# KiCad board ciaa_acc.kicad_pcb (continued)
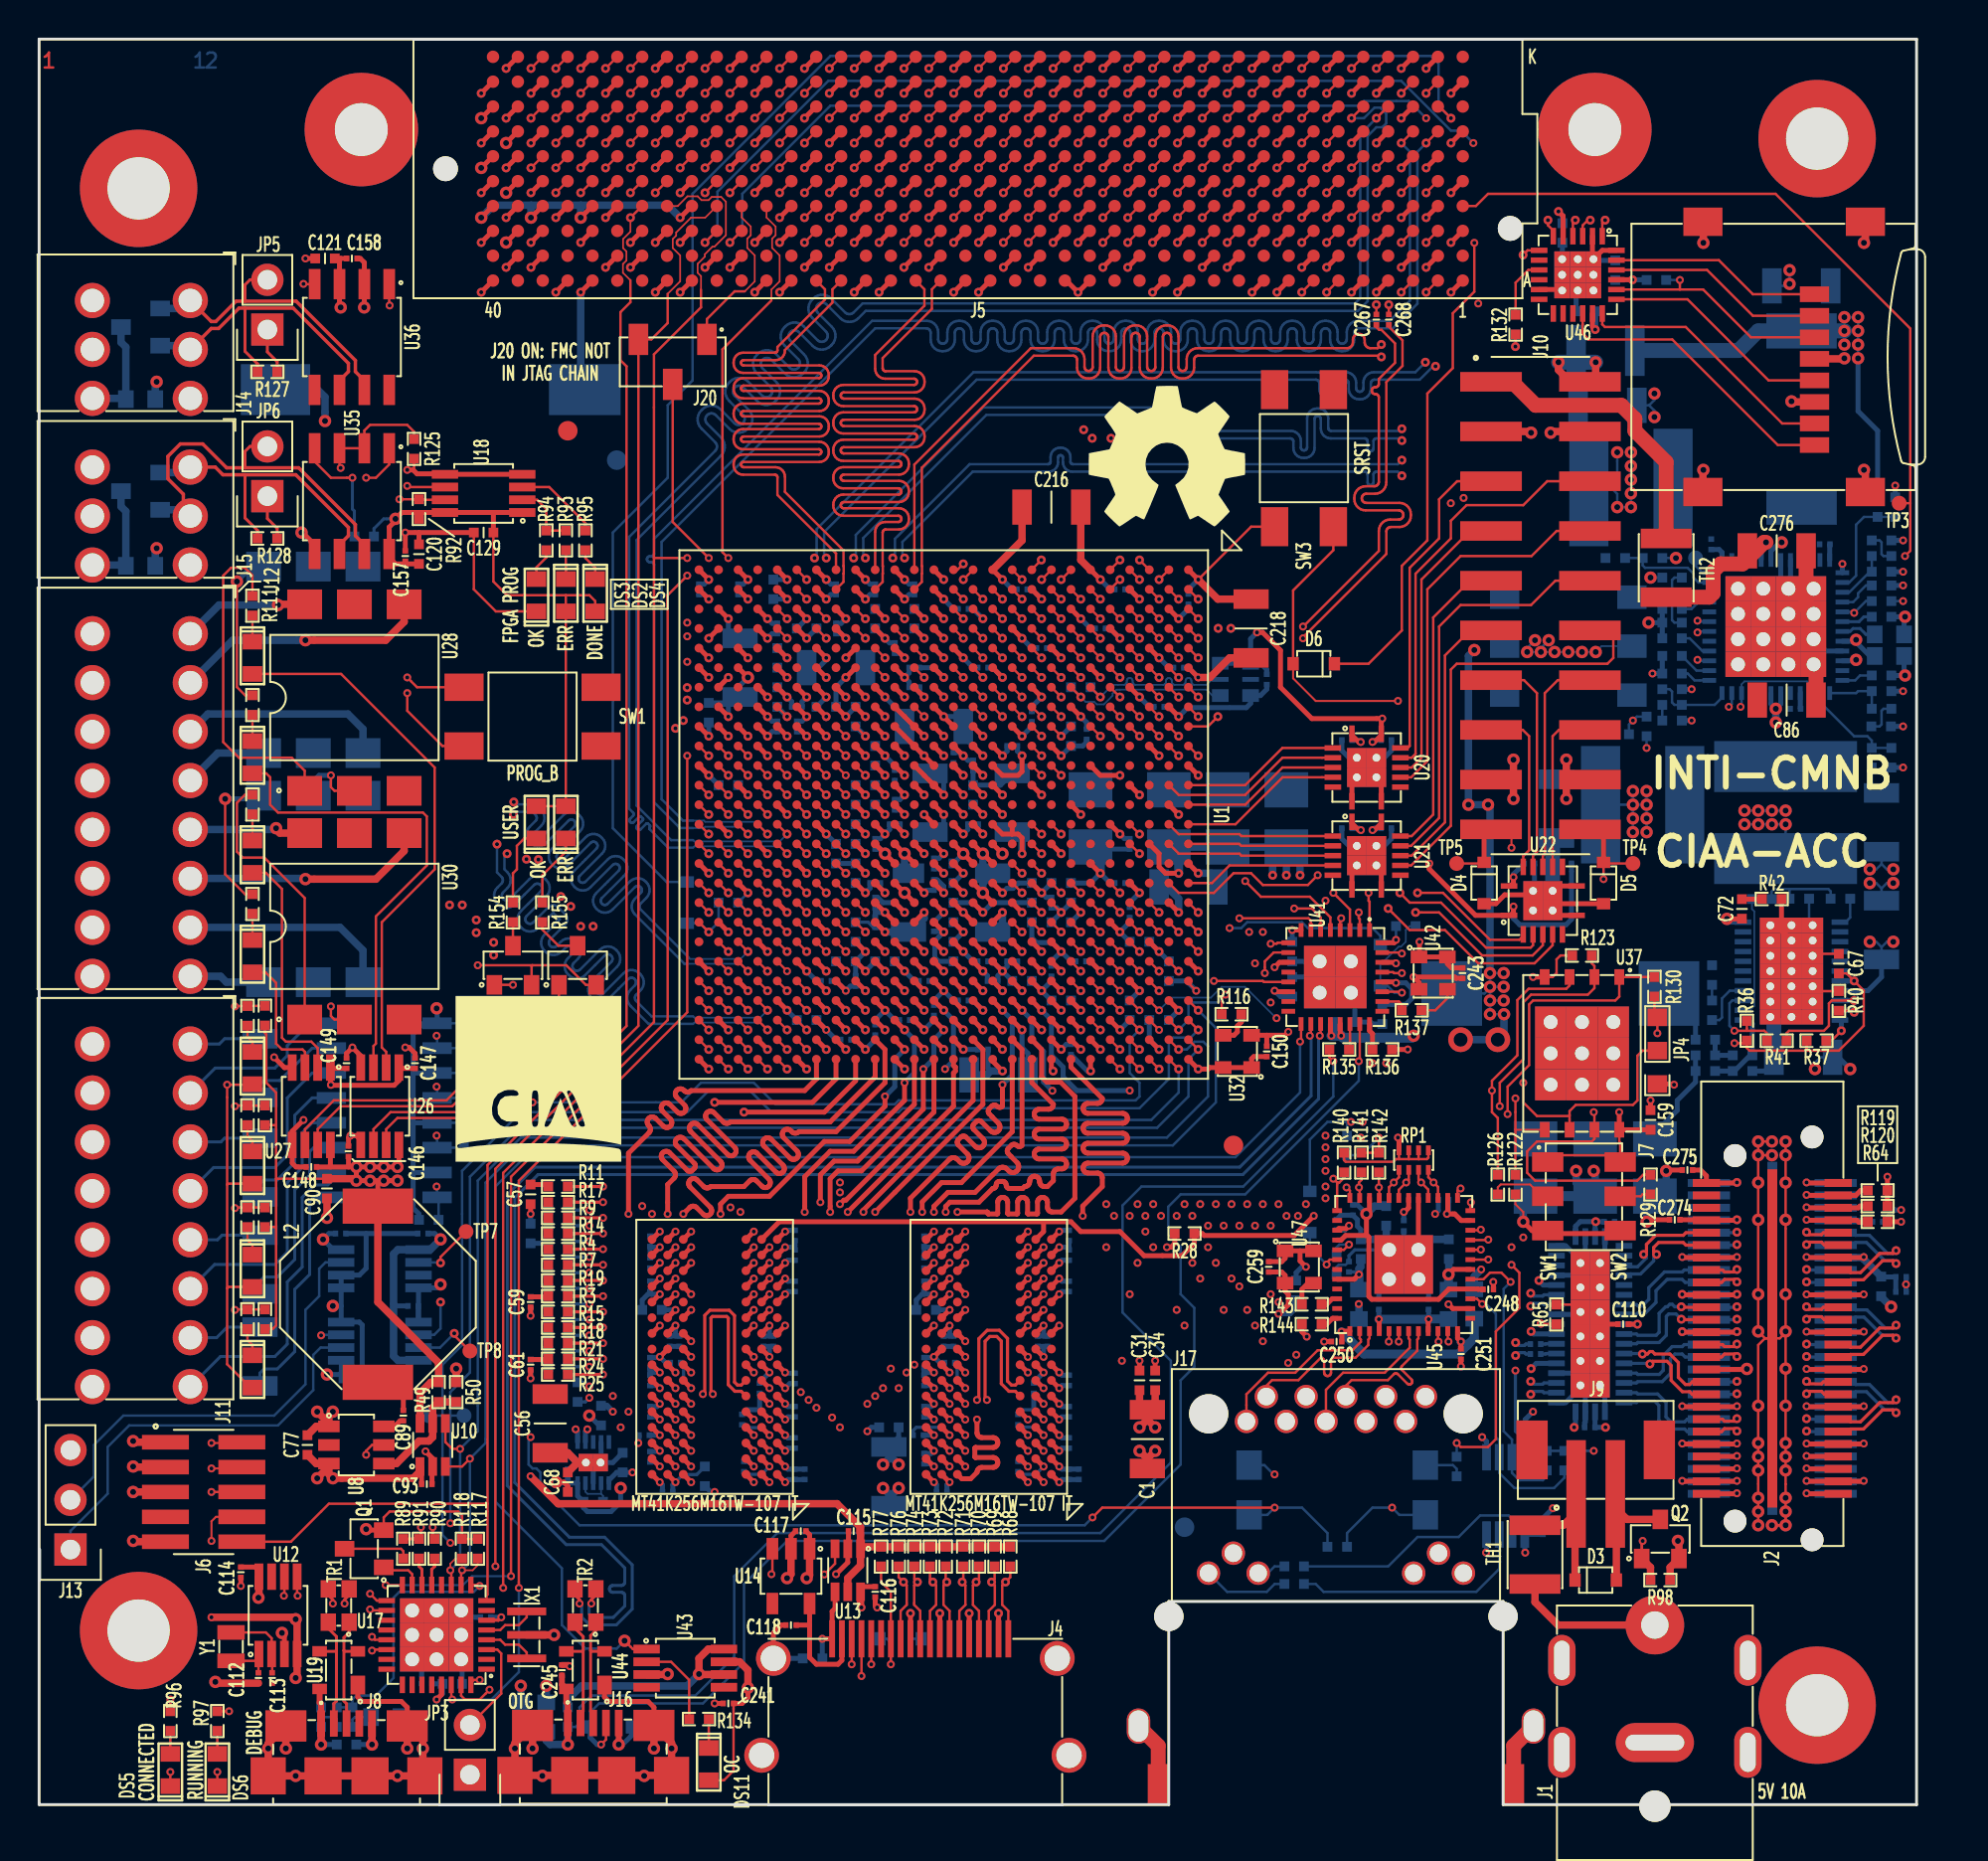
[diagram p0: board, top side]
## Routing (per net, layer and track width the routed paths; a pad name or vN(x,y) marks a point on that pad's centre or on a via; arc(x,y) is an arc through that point) (continued)
  TOP_L1.Sig w0.305: J16.5 v3(29.6,3.07) ; C245.2 27.03,7.14 v1(27.1,7.07)
  TOP_L1.Sig w0.381: J6.5 v3(4.8,15.97) ; v3(89.5,71.67) 89.53,71.64 J18.6 ; J8.5 v3(17,3.07) ; U8.1 14.15,19.32 C77.2 ; U8.1 14.8,19.87 v3(15,20.07) ; U8.1 14.8,19.47 v3(14.2,20.07) ; C1.1 56.6,17.67 ; 56.6,17.67 v3(56.2,18.07) ; 56.6,17.67 v3(57,18.07) ; J6.3 4.83,17.24 v3(4.8,17.27) ; v3(93.2,79.77) 93.28,79.85 J18.9 ; 88.48,44.98 U5.23 ; U1.L1 50.2,64.57 C216.1 ; 27.5,17.47 27,17.97 C56.1 ; 27.5,17.47 C68.2 ; 27.5,17.47 U4.11 ; C90.2 v3(14.7,29.97) ; v1(8.8,9.57) 13,9.57 v3(13.1,9.47) 13.17,9.39 U12.4 13.17,6.55 v3(13.1,6.47) ; v3(32.1,6.67) 32.08,6.64 U43.3 ; v2(59.2,62.57) 60.2,61.57 C218.1 ; v3(77.2,70.07) 77.26,70.13 79.2,70.13 ; v3(78,53.37) 78,52.67 78.32,52.35 79.2,52.35 78.28,52.35 78,52.07 v3(78,51.37) ; v3(85,79.77) 85,80.82 J18.9 ; v3(4.8,13.47) 4.84,13.43 J6.9 ; U14.2 38.4,11.77 v3(38.2,11.57) ; J18.9 84.98,68.15 v3(85,68.17) ; v3(93.2,68.17) 93.28,68.09 J18.9 ; v3(75.3,51.37) 75.3,52.07 75.02,52.35 J10.17 74.27,52.47 75.2,52.47 75.3,52.57 v3(75.3,53.37) ; v3(76.2,70.07) 76.14,70.13 J10.3 ; R98.2 83.3,12.12 Q2.2 83.75,13.42 v3(83.7,13.47) ; C112.1 9.06,6.2 v3(9,6.27) ; R50.1 v3(21.3,22.27) ; X1.3 v3(26.3,8.67)
  TOP_L1.Sig w0.762: J17.17 57.16,3 J17.17 ; J17.17 75.31,3 J17.17 ; C86.2 90.75,58.12 ; C276.2 90.25,61.2
  BOT_L12.Sig w0.127: C65.1 94.1,46.8 ; 94.1,46.8 93.83,47.07 v3(93.5,47.07) ; 94.1,46.8 94.37,47.07 v3(94.7,47.07) ; R46.2 66.8,13.87 68.1,15.17 v1(69.1,15.17) 69.47,14.8 U7.2 ; R124.2 67.53,33.17 v1(68.42,34.06) ; 94.1,48.04 93.83,47.77 v3(93.5,47.77) ; 94.1,48.04 C80.1 ; 94.1,48.04 94.37,47.77 v3(94.7,47.77) ; U23.9 21.55,39.91 C138.1 ; U5.23 90.4,45.09 R34.2 ; R52.2 v3(83.6,63.67) ; 82.23,71.47 82.5,71.2 v3(82.5,70.87) ; 82.23,71.47 C82.1 ; 82.23,71.47 82.5,71.74 v3(82.5,72.07) ; C87.1 v3(82.3,62.67) ; FB4.1 16.12,4.47 16,4.35 R88.1 ; R146.2 66.27,27.46 66.37,27.57 66.72,27.57 66.89,27.73 C265.2 ; C140.1 21.55,34.83 U23.13 ; D1.1 44.64,8.47 44.5,8.61 v2(44.5,9.77) ; R148.2 R147.2 v1(79.4,18.07) ; C83.1 89.3,77.57 v3(89.4,77.67) v3(89.4,78.37) ; C139.1 21.55,37.37 U23.11 ; R63.2 v1(82.1,53.97)
  BOT_L12.Sig w0.165: C33.2 50.01,19.94 50.25,20.17 50.8,20.17 ; v1(46.5,18.87) U2.D8 44.8,19.27 44.64,19.11 C38.2 ; C265.2 66.9,28.04 67.2,28.34 U45.49
  BOT_L12.Sig w0.254: U21.15 68.7,48.97 69.06,49.34 C135.2 ; C279.1 53.7,60.07 v2(53.2,60.57) ; C231.1 39.8,58.07 40.2,58.47 v2(40.2,58.57) ; v1(73.7,18.77) 73.92,18.55 73.92,17.75 ; v1(52.1,26.07) 52.23,26.2 C42.2 ; C30.2 50.23,17.53 v1(50.5,17.27) ; C122.1 50.7,44.27 50.94,44.03 51.74,44.03 v2(52.2,43.57) ; C19.1 38.27,29.34 38.2,29.27 v1(38.1,29.27) ; U4.4 28.7,17.5 U4.11 ; C214.2 67.5,29.37 67.33,29.54 67.33,29.87 C249.2 66.49,30.11 C253.2 ; v2(39.2,54.57) 38.97,54.81 C183.1 ; v2(52.2,43.57) 52.7,43.07 C235.1 ; v2(52.2,43.57) 51.7,43.07 C230.1 ; v1(52.1,19.67) 52.23,19.81 C48.2 ; C4.1 34.3,15.97 v1(34.5,15.97) ; C26.2 31.44,27.41 v1(31.7,27.67) ; C3.2 36.23,17.53 v1(36.5,17.27) ; v2(44.2,58.57) 43.97,58.8 C164.1 ; C284.1 47.7,58.07 v2(47.2,58.57) ; v1(45.7,26.07) 45.2,26.07 ; 45.2,26.07 45.1,26.07 44.8,25.77 R29.2 ; 45.2,26.07 C50.2 ; 73.92,13.8 73.92,12.89 v1(73.9,12.87) ; U4.8 28.3,17.09 U4.11 ; C36.2 50.8,20.17 v1(51.3,19.67) ; C285.1 53.81,48.81 C162.2 53.7,48.87 54.2,48.37 ; v1(31.7,20.47) 31.56,20.34 C14.2 ; v2(44.2,62.57) 44.44,62.34 C260.1 ; v2(49.2,42.57) 49.44,42.81 C223.2 ; v2(49.2,42.57) C190.1 ; v2(49.2,42.57) 48.97,42.34 C225.2 ; v2(49.2,42.57) U1.L21 C217.1 ; v2(49.2,53.57) 49.44,53.81 C181.1 ; U23.15 19.12,32.29 19.1,32.27 ; C109.1 80.47,29.23 80.24,29.01 U11.21 79.97,27.91 U11.43 79.09,27.04 U11.14 ; U46.25 78.5,77.25 C212.1 ; C78.2 82.61,31.08 ; U11.4 79.09,22.04 U11.43 79.97,21.16 U11.39 ; U45.49 68.42,26.32 C257.2 ; v1(86.71,18.44) 86.69,18.42 J3.10 83.94,18.42 v1(83.92,18.44) ; C178.1 v2(38.2,62.57) ; C187.1 46.17,44.61 v2(46.2,44.57) 45.74,44.11 45.74,43.26 45.94,43.07 C156.1 ; C242.2 51.44,46.34 v2(51.2,46.57) C126.1 ; C9.2 36.8,20.17 ; 36.8,20.17 36.14,20.17 35.91,19.94 C6.2 ; 36.8,20.17 v1(37.3,19.67) ; C101.1 v1(84.4,55.37) ; U21.15 66.9,48.97 66.53,49.34 C134.2 ; v1(45.7,29.27) 45.47,29.03 C37.1 ; C133.2 76.37,46.74 U22.15 ; v2(83.92,24.16) 83.94,24.13 J3.28 86.69,24.13 v2(86.71,24.16) ; v2(47.2,49.57) 47.44,49.81 C196.1 ; v1(37.3,22.87) 37.3,23.41 ; 37.3,23.41 C18.2 ; 37.3,23.41 C22.1 ; v2(35.2,60.57) 35.2,59.77 35.4,59.57 C167.1 ; C41.2 45.56,20.34 v1(45.7,20.47) ; v1(14.9,52.57) 14.3,52.57 14,52.27 U31.2 ; v1(71.3,30.17) 71.46,30.33 C254.2 ; C224.1 40.7,39.07 v1(40.2,39.57) U1.Y24 ; v1(31.7,26.07) 31.3,26.07 ; 31.3,26.07 31.2,26.17 C23.2 ; 31.3,26.07 31.1,26.07 30.8,25.77 R30.2 ; R59.1 C98.1 v1(82.4,57.77) ; 19.1,32.27 19.1,30.47 19.4,30.17 C141.1 ; 19.1,32.27 19.1,34.77 ; C256.1 77.8,78.95 U46.25 ; C16.1 32,22.57 v1(31.7,22.87) ; C273.2 94.77,30.37 v1(95.1,30.37) ; v2(50.2,59.57) 50.7,59.07 C282.1 ; U46.25 79.45,78.87 C261.1 ; v2(43.2,56.57) 44.2,55.57 C203.1 44.2,54.57 v2(45.2,53.57) ; C32.1 45.83,16.34 v1(45.7,16.47) ; v1(93.19,26.06) 93.16,26.04 90.3,26.04 v1(90.27,26.06) ; U20.15 68.7,53.47 69.06,53.84 C137.2 ; C46.1 52.17,29.34 v1(52.1,29.27) ; C277.1 U1.D2 v2(56.2,61.57) ; v1(52.1,27.67) 52.23,27.81 C39.2 ; C11.2 30.63,18.5 v1(30.6,18.47) ; v1(31.7,22.87) 32.2,23.37 C2.1 C20.2 ; v1(31.7,22.87) 31.66,22.84 C13.1 ; v2(36.2,62.57) 35.97,62.34 C252.1 ; U9.8 89.45,60.92 U9.49 88.95,61.21 U9.7 ; C8.2 31.47,17.5 v1(31.7,17.27) ; C215.1 53.53,37.47 v2(53.7,37.47) ; C71.1 29.3,17.47 U4.11 ; C21.2 38.23,19.81 v1(38.1,19.67) ; C100.1 v1(95.2,64.57) ; U1.U3 v2(43.2,60.57) ; 15.42,25.47 v3(15,25.47) ; 15.42,25.47 U33.4 16.35,24.64 16.5,24.5 16.5,22.22 15.97,21.68 C152.2 ; 15.42,25.47 U34.6 16.35,27.05 16.7,27.39 16.7,29.17 ; C195.1 43.44,49.81 v2(43.2,49.57) 42.97,49.34 C168.1 ; C47.2 C29.1 46.2,23.37 v1(45.7,22.87) ; v2(34.2,62.57) 33.97,62.34 C264.1 ; C15.2 38.23,26.2 v1(38.1,26.07) ; J3.22 87.19,22.23 v3(87.22,22.25) ; C286.1 U1.B8 v2(58.2,55.57) 58.66,56.03 61.66,56.03 61.88,56.25 61.88,56.65 62.38,56.65 62.7,56.97 C266.1 ; 27.5,17.47 27.16,17.14 C69.2 ; C52.1 C54.2 52.23,17.14 v1(52.1,17.27) ; v2(46.2,57.57) U1.P6 C191.1 ; 19.1,34.77 19.16,34.83 U23.13 ; 19.1,34.77 19.1,37.37 ; C173.1 v2(34.2,54.57) ; C44.2 45.56,21.41 v1(45.7,21.27) ; C220.1 R2.2 v2(42.2,43.57) U1.V20 ; C85.1 v3(95.3,57.67) 95.25,57.72 C102.1 ; C51.2 52.23,18.73 v1(52.1,18.87) ; C49.1 51.3,23.41 ; 51.3,23.41 C45.2 ; 51.3,23.41 v1(51.3,22.87) ; U1.U10 v2(43.2,53.57) U1.T11 C172.1 ; C228.1 45.7,41.07 v2(46.2,41.57) ; C40.1 45.67,22.84 v1(45.7,22.87) ; C96.1 v3(95.3,60.67) 95.25,60.62 C99.1 ; C280.1 46.7,61.07 v2(46.2,61.57) ; U20.15 66.9,53.47 66.53,53.84 C136.2 ; U17.33 19.53,6.94 C130.1 ; v3(20.3,40.67) 20.33,40.64 U23.9 19.64,39.91 19.1,39.37 19.1,37.37 ; C185.1 47.03,53.73 v2(47.2,53.57) 47.44,53.34 C176.1 ; C35.2 45.56,17.41 v1(45.7,17.27) ; C207.1 v2(55.2,44.57) 55.7,45.07 C236.1 ; U17.33 20.65,9.57 C128.1 ; R61.2 v1(94.8,67.37) ; v1(45.7,22.87) 46,22.57 C43.1 ; C17.2 31.56,21.41 v1(31.7,21.27) ; R54.2 v1(95.2,52.97) ; 16.7,29.17 C154.2 ; 16.7,29.17 C153.2 ; U17.33 21.6,7.37 C119.1 ; C91.1 v3(82.2,60.37) ; C91.1 R58.2 ; C91.1 C84.2 ; v2(41.2,60.57) 40.97,60.34 C227.1 ; v1(42.3,19.07) 42.5,19.27 C7.1 ; v3(29.6,3.07) 29.8,3.07 30.26,3.53 D8.1 ; v1(38.1,21.27) 38.33,21.5 C63.1 ; v2(45.2,56.57) 44.97,56.8 C202.1 ; U1.V13 v2(42.2,50.57) ; C177.1 42.7,45.57 ; 42.7,45.57 v2(43.2,45.57) ; 42.7,45.57 C192.1 ; v2(59.2,62.57) 58.7,62.07 C281.1 ; v1(38.1,17.27) 38.23,17.14 C27.2 C25.1 ; C209.2 64.2,25.37 63.9,25.07 v1(63.3,25.07) ; v1(93.19,20.35) 93.16,20.32 J3.15 90.3,20.32 v1(90.27,20.35) ; v1(77.31,15.14) 76.8,14.63 C263.2 ; C229.1 38.97,56.34 v2(39.2,56.57) ; v2(52.2,53.57) R152.1 53.3,54.07 53.5,54.27 C287.1 ; U1.AD12 v2(36.2,51.57) ; R75.2 J4.20 ; C283.1 57.7,58.07 v2(57.2,58.57) ; C88.1 v1(95.2,55.07) ; C262.2 75.9,19.67 v1(76.3,20.07) ; C59.1 v1(25.1,24.97) ; C165.1 v2(47.2,47.57) ; C66.1 88.6,37.86 88.21,37.47 R45.1 ; C53.2 45.44,27.41 v1(45.7,27.67) ; C132.2 77.3,48.07 ; C232.1 43.7,40.07 v2(43.2,40.57) 42.7,40.07 C226.1 ; C24.2 38.23,18.73 v1(38.1,18.87) ; U1.AB5 v2(38.2,58.57) ; 19.1,37.37 19.1,37.37 U23.11 ; C163.1 45.9,49.67 46.2,49.97 v2(46.2,50.57) ; C208.1 50.5,38.37 50.2,38.67 v2(50.2,39.57) ; C189.1 45.87,47.23 46.2,46.91 v2(46.2,46.57) ; U1.V15 v2(42.2,48.57) ; U1.U12 v2(43.2,51.57) ; C239.2 68.1,39.87 68,39.97 C237.2 67.2,41.27 U41.33 66.2,42.27 C238.2 ; v2(37.2,54.57) 37.44,54.81 C198.1 ; C104.1 v1(84.4,56.97) ; C10.1 31.47,29.03 v1(31.7,29.27) ; U1.M13 v2(48.2,50.57) ; v1(93.19,24.16) 93.16,24.13 J3.27 90.3,24.13 v1(90.27,24.16) ; v1(86.71,20.35) 86.69,20.32 J3.16 83.94,20.32 v1(83.92,20.35) ; v1(38.1,27.67) 38.23,27.81 C12.2 ; C111.1 78.94,19.5 78.97,19.54 U11.41 78.97,21.16 U11.43 78.72,21.29 77.97,20.53 77.5,20.53 U11.1 ; 58.2,48.17 57.7,48.67 C170.2 ; U11.17 77.5,28.54 77.97,28.54 78.72,27.79 U11.43 78.97,27.91 U11.19 ; C288.1 50.7,56.07 v2(51.2,56.57) ; C151.2 19.37,24.66 U33.5 19.38,26.39 20.33,26.39 v3(20.5,26.57) ; v2(40.2,62.57) 40.44,62.34 C233.1 ; C131.1 v3(17,3.07) ; U11.10 78.59,25.04 U11.43 ; v2(47.2,38.57) C213.1 ; v2(57.2,38.57) U1.C25 C205.1 ; C278.1 49.7,62.07 v2(49.2,62.57) ; C234.1 39.7,42.07 v2(39.2,42.57) ; C246.1 37.44,60.34 v2(37.2,60.57) ; C269.2 95.35,26.2 v1(95.35,26.57) 95.36,26.58 C270.2 ; C193.1 42.44,46.81 v2(42.2,46.57) U1.V17 ; v2(40.2,49.57) C125.1 ; v2(86.71,26.06) 86.69,26.04 83.94,26.04 v2(83.92,26.06) ; C201.1 45.97,48.34 v2(46.2,48.57) ; C219.1 46.7,41.07 v2(46.2,41.57) ; v2(46.2,41.57) U1.P22 C222.1 ; v1(90.27,18.44) 90.3,18.42 J3.9 93.16,18.42 v1(93.19,18.44) ; U9.49 91.24,58.92 U9.21 ; C179.1 43.97,50.81 v2(44.2,50.57) ; C182.1 v2(39.2,60.57) ; C247.1 42.44,62.34 v2(42.2,62.57) ; v1(93.19,22.25) 93.16,22.23 J3.21 90.3,22.23 v1(90.27,22.25) ; C258.2 70.97,26.32 U45.49 69.7,27.58 69.7,29.27 ; R138.1 53.7,47.07 v2(54.2,47.57) 54.7,47.07 C200.1 ; C5.1 31.84,16.34 v1(31.7,16.47) ; U29.2 14,64.37 v3(13.4,64.97) ; C103.1 v1(95.2,62.97) ; v1(25.1,30.17) C58.1 ; U1.Y8 v2(40.2,56.57) ; C97.1 v1(95.2,62.27) ; C64.1 52.23,21.41 v1(52.1,21.27) ; U1.R3 v2(45.2,60.57) ; U1.G23 v2(53.2,40.57) ; C206.1 v2(56.2,41.57) ; C240.2 U41.33 ; C61.2 v1(25.1,21.77) ; C92.1 v1(95.2,56.87)
  BOT_L12.Sig w0.305: C70.1 29,20.37 v1(29.3,20.07)
  BOT_L12.Sig w0.381: v3(17,3.07) 17,4.42 FB4.1 ; v3(48.2,48.57) 48.2,47.77 48.4,47.57 C180.1 48.2,47.07 v3(48.2,46.57) ; FB6.1 5.93,64.1 v3(6,64.17) ; v3(44.2,48.57) 44.2,47.77 C199.1 ; FB5.1 5.93,72.6 v3(6,72.67) ; v3(79.4,32.37) 79.47,32.3 C79.2 79.19,31.08 78.5,31.77 v3(78.5,32.37) ; 88.6,40.05 U5.23 ; C214.2 68.41,28.87 U45.49 68.8,28.48 C210.2 ; BT1.2 27.66,72.48 v2(27.66,77.24) ; C211.2 70.98,28.87 U45.49 ; C166.2 C174.2 C170.2 ; C166.2 v2(63.7,47.47) ; C166.2 64.1,48.51 64.1,48.47 64.4,48.17 v2(64.4,47.47) ; C166.2 63,48.21 v2(63,47.47) ; C221.1 57.6,46.87 58.2,46.27 v2(58.2,45.57) ; v2(50.2,48.57) 50.2,49.37 49.9,49.67 C161.1 ; v3(43.9,16.17) 43.4,15.67 C28.1 43.4,15.87 v3(43.1,16.17) ; v3(82.1,29.77) 82.1,30.47 82.52,30.89 C78.2 82.52,31.09 83.1,31.67 v3(83.1,32.37) ; C56.1 27,17.97 27.5,17.47 U4.11 ; C76.2 76.41,31.08 75.8,30.47 v3(75.8,29.77) ; FB9.1 v3(24.6,6.07) ; C244.2 v3(25.9,6.07)
  BOT_L12.Sig w0.457: 54.2,48.37 v2(54.2,47.57) ; 68.68,28.6 U45.49 ; U45.49 70.71,28.6 ; 58.2,48.17 v2(58.2,47.57)
  BOT_L12.Sig w0.508: C78.2 C79.2 C76.2
  BOT_L12.Sig w0.762: U22.15 77.3,49.17 C81.1 ; C66.1 88.6,40.05
VCCO_HP: length 45.3
  TOP_L1.Sig w0.127: U1.M3 v2(48.2,60.57)
  TOP_L1.Sig w0.254: U1.G8 v2(53.2,55.57) ; 67.05,54.7 67.05,54.62 67.4,54.27 v1(67.5,54.27) ; U1.J2 v2(51.2,61.57) ; U1.E14 v2(55.2,49.57) ; U1.F1 v2(54.2,62.57) ; U1.E4 v2(55.2,59.57) ; U1.L6 v2(49.2,57.57) ; U1.D7 v2(56.2,56.57) ; U1.H15 v2(52.2,48.57) ; U1.B3 v2(58.2,60.57) ; U1.A6 v1(59.2,57.57) ; U1.K9 v2(50.2,54.57) ; U1.A16 v2(59.2,47.57) ; U1.C10 v2(57.2,53.57) ; v2(55.2,52.57) 54.2,52.57 U1.F11 ; U1.B13 v2(58.2,50.57) ; U1.H5 v2(52.2,58.57) ; v1(67.51,49.77) 67.5,49.77 67.4,49.77 67.05,50.12 U21.1 ; U1.J12 v2(51.2,51.57)
  TOP_L1.Sig w0.381: U1.F1 53.2,63.57 C216.2 ; v1(59.2,57.57) 59.8,57.57 60.8,58.57 C218.2
  L7.GND w0.457: v2(58.2,50.57) 59.2,49.57 v2(59.2,47.57)
  BOT_L12.Sig w0.089: v3(76,58.87) v3(76.7,58.87) v3(77.4,58.87) v3(78.1,58.87) v3(78.8,58.87) v3(79.5,58.87) 79.8,59.17 J19.5
  BOT_L12.Sig w0.127: v3(76.7,58.87) 76.7,59.07 v3(77.1,59.47) ; v3(76,58.87) 76,59.07 v3(76.4,59.47)
  BOT_L12.Sig w0.254: v2(49.2,57.57) U1.L6 C284.2 ; C283.2 U1.A6 v1(59.2,57.57) ; C280.2 U1.M3 v2(48.2,60.57) ; C287.2 53.5,55.27 v2(53.2,55.57) ; v2(54.2,62.57) 54.7,62.07 C277.2 ; C282.2 U1.H5 v2(52.2,58.57) ; C288.2 50.7,55.07 v2(50.2,54.57) ; C278.2 U1.J2 v2(51.2,61.57) ; v2(55.2,59.57) U1.E4 C279.2 ; C134.1 67.41,49.87 v1(67.51,49.77) 67.5,49.77 ; v2(55.2,49.57) 55.43,49.34 55.47,49.34 55.48,49.34 C285.2 ; C286.2 56.7,56.07 v2(56.2,56.57) ; C136.1 67.4,54.37 v1(67.5,54.27) 67.5,54.27 ; v2(58.2,60.57) 58.7,61.07 C281.2
  BOT_L12.Sig w0.381: v2(59.2,47.57) 59.9,47.57 60.2,47.27 C221.2
VCCO_HR: length 125.1
  TOP_L1.Sig w0.127: C90.1 12.1,31.97 ; 12.1,31.97 12.1,29.47 ; 12.1,31.97 12.1,34.67 ; R107.2 11.53,39.42 11.6,39.35 11.6,36.87 12.1,36.37 12.1,34.67 ; R110.2 11.92,24.29 12.1,24.47 12.1,29.47 ; 12.1,34.67 12.06,34.71 R108.2 ; 12.1,29.47 12.07,29.5 R109.2
  TOP_L1.Sig w0.165: C115.1 41.86,13.86 41.95,13.77
  TOP_L1.Sig w0.254: U1.AB13 v2(38.2,50.57) ; U1.AA16 v2(39.2,47.57) ; U26.8 18.38,32.64 v3(18.3,32.57) v3(17.6,32.57) v3(16.9,32.57) v3(16.2,32.57) ; U1.AD17 v2(36.2,46.57) ; v3(23.85,82.32) 24.44,82.92 J5.E39 ; C148.1 14.9,32.57 ; 14.9,32.57 15.8,32.57 ; 14.9,32.57 14.88,32.59 U27.8 ; J5.G39 24.44,85.46 v3(23.85,84.86) ; U1.AE14 v2(35.2,49.57) ; U1.AF11 v2(34.2,52.57) ; 15.8,32.57 v3(16.2,32.57) ; 15.8,32.57 C146.1 ; v3(16.2,32.57) v3(16.2,31.87) v3(16.9,31.87) v3(17.6,31.87) v3(18.3,31.87) 17.45,31.87 17.3,31.72 L2.2 ; U1.AC10 v2(37.2,53.57) ; v3(22.58,86.13) 23.17,86.73 J5.H40 ; U1.AE24 v2(35.2,39.57) ; U1.AF21 v2(34.2,42.57) ; v3(22.58,83.59) 23.17,84.19 J5.F40 ; U1.AA26 v2(39.2,37.57) ; U1.AB23 v2(38.2,40.57) ; U1.Y19 v2(40.2,44.57) ; 17.3,30.67 17.3,30.87 ; U1.AC20 v2(37.2,43.57)
  TOP_L1.Sig w0.381: U13.1 41.95,12.22 41.3,11.57 U13.5 ; U13.1 42.05,13.17 R77.2 R76.1 R74.1 R73.1 R72.1 R71.1 R70.1 R69.1 R68.1 ; U13.1 41.95,14.17 40.75,15.37 26.5,15.37 v1(25.1,16.77) ; U10.6 19.45,21.02 20,21.57 R49.1 20.4,22.57 17.3,25.67 L2.2 ; v3(16.2,31.87) 16.1,31.97 C90.1
  L3.Sig w0.381: v3(20.5,28.87) 20.5,30.37 19,31.87 v3(18.3,31.87) ; v3(18.3,32.57) 20.4,32.57 23.4,29.57 23.4,19.74 25.1,18.04 v1(25.1,16.77)
  BOT_L12.Sig w0.127: R79.1 v2(36.2,46.57)
  BOT_L12.Sig w0.254: v3(20.5,28.87) 20.2,29.17 C153.1 ; C151.1 18.2,25.47 18.1,25.57 ; v2(38.2,40.57) C204.2 ; C197.2 v2(34.2,52.57) ; 19.37,22.69 U33.8
  BOT_L12.Sig w0.381: v3(20.5,28.87) 19.98,28.34 U34.1 18.32,28.34 18.1,28.13 18.1,22.91 18.32,22.7 U33.8
(no net): length 0.1
  L10.Sig w0.089: 44.66,85.37 44.7,85.37 44.69,85.36 44.66,85.36
/Principal/BANK_0/CHS_DBG: length 20.6
  TOP_L1.Sig w0.254: U19.1 16.27,5.5 16.5,5.27 18.5,5.27 18.8,4.97 18.8,4.05
  TOP_L1.Sig w0.381: v3(12.6,2.87) J8.6 11.7,3.12 v3(11.7,2.87) J8.6 v3(13.1,1.47) J8.6 J8.6 v3(18.3,1.47) J8.6 19.6,1.57 v3(19.6,2.87) 19.6,3.47 19.05,4.02 J8.6 v3(18.8,2.87)
/Principal/BANK_0/DBG_USB_B_N: length 6.3
  TOP_L1.Sig w0.152: 15.18,7.87 15.18,8.59 14.77,9 TR1.4 ; 15.18,7.87 15.18,5.29 15.05,5.16 J8.2 ; 15.18,7.87 15.14,7.83 U19.3
/Principal/BANK_0/DBG_USB_B_P: length 6.1
  TOP_L1.Sig w0.152: 15.57,7.87 15.57,8.54 15.83,8.8 TR1.1 ; 15.57,7.87 15.57,5.29 15.7,5.16 J8.3 ; 15.57,7.87 15.61,7.83 U19.2
/Principal/BANK_0/DBG_USB_N: length 11.4
  TOP_L1.Sig w0.152: TR1.3 14.77,10.7 15,10.47 v1(15,10.27) ; v1(20.1,14.17) 20.1,13.67 R90.1
  L3.Sig w0.114: v1(20.1,14.17) 19.95,14.32 19.95,14.67 19.5,15.12 16.04,15.12 15.15,14.23 15.15,10.42 v1(15,10.27)
/Principal/BANK_0/DBG_USB_P: length 12.2
  TOP_L1.Sig w0.152: v1(15.6,10.27) 15.6,10.47 15.83,10.7 TR1.2 ; R89.2 R91.1 19.5,13.67 v1(19.5,14.17)
  L3.Sig w0.114: v1(19.5,14.17) 19.65,14.32 19.65,14.54 19.37,14.82 19,14.82 18.97,14.81 18.93,14.8 18.91,14.78 18.88,14.76 18.86,14.73 18.85,14.7 18.85,14.67 18.85,14.33 18.85,14.3 18.84,14.27 18.82,14.24 18.79,14.22 18.77,14.2 18.73,14.19 18.7,14.18 18.67,14.19 18.63,14.2 18.61,14.22 18.58,14.24 18.56,14.27 18.55,14.3 18.55,14.33 18.55,14.67 18.55,14.7 18.54,14.73 18.52,14.76 18.49,14.78 18.47,14.8 18.43,14.81 18.4,14.82 16.16,14.82 15.45,14.11 15.45,10.42 v1(15.6,10.27)
/Principal/BANK_0/DBG_VBUS: length 1.7
  BOT_L12.Sig w0.127: R87.2 15.2,4.37 15.1,4.47 14.52,4.47 14.4,4.59 FB3.1
/Principal/BANK_0/DBG_VBUS_B: length 4.5
  TOP_L1.Sig w0.305: U19.4 14.33,5.22 14.4,5.15 14.4,4.17
  TOP_L1.Sig w0.381: J8.1 v3(14.4,3.07)
  BOT_L12.Sig w0.254: v3(14.4,3.07) C131.2
  BOT_L12.Sig w0.381: FB3.2 v3(14.4,3.07)
/Principal/BANK_0/DBG_VBUS_DIV: length 13
  TOP_L1.Sig w0.127: U17.9 22.45,11.22 v1(22.5,11.17)
  BOT_L12.Sig w0.127: v1(22.5,11.17) 22.2,10.87 18.4,10.87 18.1,10.57 18.1,6.47 17.2,5.57 16.2,5.57 16,5.37 R88.2 R87.1
/Principal/BANK_0/FPGA_DONE: length 32.6
  TOP_L1.Sig w0.127: U18.6 18.86,67.3 v1(18.8,67.35) ; U1.W9 v2(41.2,54.57)
  L5.Sig w0.107: v1(33.1,59.67) 26.48,59.67 v1(18.8,67.35)
  L8.Sig w0.107: v1(33.1,59.67) 33.7,59.07 40.5,59.07 40.7,58.87 U1.W9 v2(41.2,54.57)
/Principal/BANK_0/I2C_SCL: length 154.9
  TOP_L1.Sig w0.089: v1(21.6,11.97) 22.14,11.97 22.4,12.23 R117.1
  TOP_L1.Sig w0.127: v1(21.6,11.97) 21.55,11.92 U17.10 ; U10.3 21.6,17.27 v1(22,17.67) ; U1.A23 v2(59.2,40.57) ; v1(12.5,10.67) 12.52,10.7 12.52,11.64 ; TP4.1 79.95,48.07 D5.2 v1(79.9,47.27) ; J4.15 v1(42.5,7.17)
  TOP_L1.Sig w0.254: 79.2,49.81 79.56,49.81 79.9,49.47 D5.2
  L5.Sig w0.107: v1(68.8,37.87) 68.1,38.57 67.9,38.77 64.9,38.77 64.7,38.57 64.1,38.57 64,38.67 63.5,38.67 61.6,40.57 v2(59.2,40.57)
  L8.Sig w0.107: 79.9,47.97 75,47.97 73.5,46.47 73.5,43.47 68.8,38.77 v1(68.8,37.87) ; 79.9,47.97 79.9,56.27 82.9,59.27 84.9,59.27 85.2,59.57 85.2,60.27 85,60.47 v1(84.7,60.47) ; 79.9,47.97 v1(79.9,47.27) ; v1(12.5,10.67) 13,10.17 13.6,10.17 15,11.57 18,11.57 18.04,11.53 21.16,11.53 v1(21.6,11.97)
  L10.Sig w0.107: v1(21.6,11.97) 22.3,12.67 27.2,12.67 30.9,8.97 40.7,8.97 v1(42.5,7.17)
  BOT_L12.Sig w0.127: U9.43 84.75,60.42 v1(84.7,60.47) ; v1(21.6,11.97) 22,12.37 v1(22,17.67) 22.8,18.47 22.8,31.77 24.7,33.67 57.9,33.67 60.1,35.87 60.1,39.67 v2(59.2,40.57)
/Principal/BANK_0/I2C_SDA: length 154
  TOP_L1.Sig w0.089: v1(21,11.97) 21,12.31 21.26,12.57 R118.1
  TOP_L1.Sig w0.107: v1(75.2,48.87) 75.2,49.57 74.96,49.81 J10.19
  TOP_L1.Sig w0.127: U17.11 21.05,11.92 v1(21,11.97) ; U1.B25 v2(58.2,38.57) ; v1(21.5,18.17) 21.1,18.17 20.75,18.52 U10.4 ; D4.2 73.75,48.07 TP5.1 ; U12.5 13.17,10.7 v1(13.2,10.67) ; J4.16 v1(42,6.57)
  TOP_L1.Sig w0.254: D4.2 73.8,49.46 J10.19
  L5.Sig w0.107: v1(68.1,37.87) 67.6,38.37 65.3,38.37 65.2,38.27 63.4,38.27 62.6,39.07 58.7,39.07 v2(58.2,38.57)
  L8.Sig w0.107: v1(68.1,37.87) 68.1,38.67 73.1,43.67 73.1,46.77 v1(75.2,48.87) 77.9,48.87 79.2,50.17 79.2,56.27 82.8,59.87 v1(84.7,59.87) ; v1(13.2,10.67) 14.5,11.97 v1(21,11.97)
  L10.Sig w0.107: v1(42,6.57) 42.7,6.57 43,6.87 43,7.47 41.1,9.37 31,9.37 27.3,13.07 22.1,13.07 v1(21,11.97)
  BOT_L12.Sig w0.127: v1(21,11.97) 21.5,12.47 v1(21.5,18.17) 22.4,19.07 22.4,31.87 24.6,34.07 57.6,34.07 59.7,36.17 59.7,38.72 59.46,38.96 59.01,38.96 58.62,38.57 v2(58.2,38.57) ; U9.42 84.75,59.92 v1(84.7,59.87)
/Principal/BANK_0/INIT_B: length 38
  TOP_L1.Sig w0.127: 20.73,66.65 19.42,66.65 R92.1 v1(18.4,66.67) 18.42,66.65 ; U1.R8 v2(45.2,55.57)
  L5.Sig w0.107: v1(33.1,60.37) 26.7,60.37 19.3,67.77 18.6,67.77 18.4,67.57 v1(18.4,66.67)
  L8.Sig w0.107: v2(45.2,55.57) U1.R8 44.7,56.97 44.6,57.07 41.8,57.07 41.7,57.17 41.7,59.87 41.5,60.07 33.4,60.07 v1(33.1,60.37)
/Principal/BANK_0/LED_CON: length 13
  TOP_L1.Sig w0.127: v1(17,8.57) 17.15,8.42 U17.21 ; R96.2 v1(6.7,5.37)
  L10.Sig w0.127: v1(6.7,5.37) 13.7,5.37 16.9,8.57 v1(17,8.57)
/Principal/BANK_0/LED_RUN: length 10
  TOP_L1.Sig w0.127: v1(17,7.87) 17.05,7.92 U17.22 ; R97.2 v1(9.7,4.77)
  L10.Sig w0.127: v1(9.7,4.77) 13.9,4.77 v1(17,7.87)
/Principal/BANK_0/LPC_UART_RX: length 71.5
  TOP_L1.Sig w0.127: U17.31 21.55,5.57 21.75,5.37 22.5,5.37 v1(23,5.87) ; U1.B26 v2(58.2,37.57)
  L8.Sig w0.107: v1(23,5.87) 23.24,6.11 23.24,11.53 21.4,13.37 v1(21,13.37)
  BOT_L12.Sig w0.127: v1(21,13.37) 20.6,13.77 20.6,19.87 ; 20.6,19.87 20.6,22.47 21.6,23.47 21.6,32.37 24.2,34.97 56.8,34.97 58.2,36.37 v2(58.2,37.57) ; 20.6,19.87 TP6.1
/Principal/BANK_0/LPC_UART_TX: length 70.7
  TOP_L1.Sig w0.127: U1.A25 v2(59.2,38.57) ; U17.32 22.05,6.22 22.2,6.37 v1(22.5,6.37)
  L8.Sig w0.107: v1(21,14.37) 20.6,13.97 20.6,13.07 21.2,12.47 21.8,12.47 22.86,11.41 22.86,6.73 v1(22.5,6.37)
  BOT_L12.Sig w0.127: v2(59.2,38.57) 58.7,38.07 58.7,36.17 57.1,34.57 24.5,34.57 22,32.07 22,22.07 21,21.07 21,19.87 ; TP1.1 21,19.87 ; 21,19.87 v1(21,14.37)
/Principal/BANK_0/POWERGOOD: length 99.2
  TOP_L1.Sig w0.127: 95.57,66.47 95.57,75.39 88.69,82.27 74,82.27 73.38,81.65 J5.D1 ; 95.57,66.47 TP3.1 ; 95.57,66.47 95.57,64.04 v1(95.3,63.77) ; U1.C23 v1(57.2,40.57)
  L10.Sig w0.107: v1(92.7,60.87) 92,60.17 92,49.27 89.9,47.17 82.2,47.17 76.1,41.07 76.1,39.07 75.2,38.17 72,38.17 70,40.17 v1(63.2,40.17)
  L10.Sig w0.127: v1(92.7,60.87) 92.7,61.17 v1(95.3,63.77)
  BOT_L12.Sig w0.089: v1(57.2,40.57) 57.85,41.22 59.85,41.22 60.4,41.77 61.58,41.77 63.18,40.17 v1(63.2,40.17)
  BOT_L12.Sig w0.127: U9.17 92.65,60.92 v1(92.7,60.87) 93.3,61.47 R57.1
